# KiCad board Inkplate 6 SS_panel.kicad_pcb (continued)
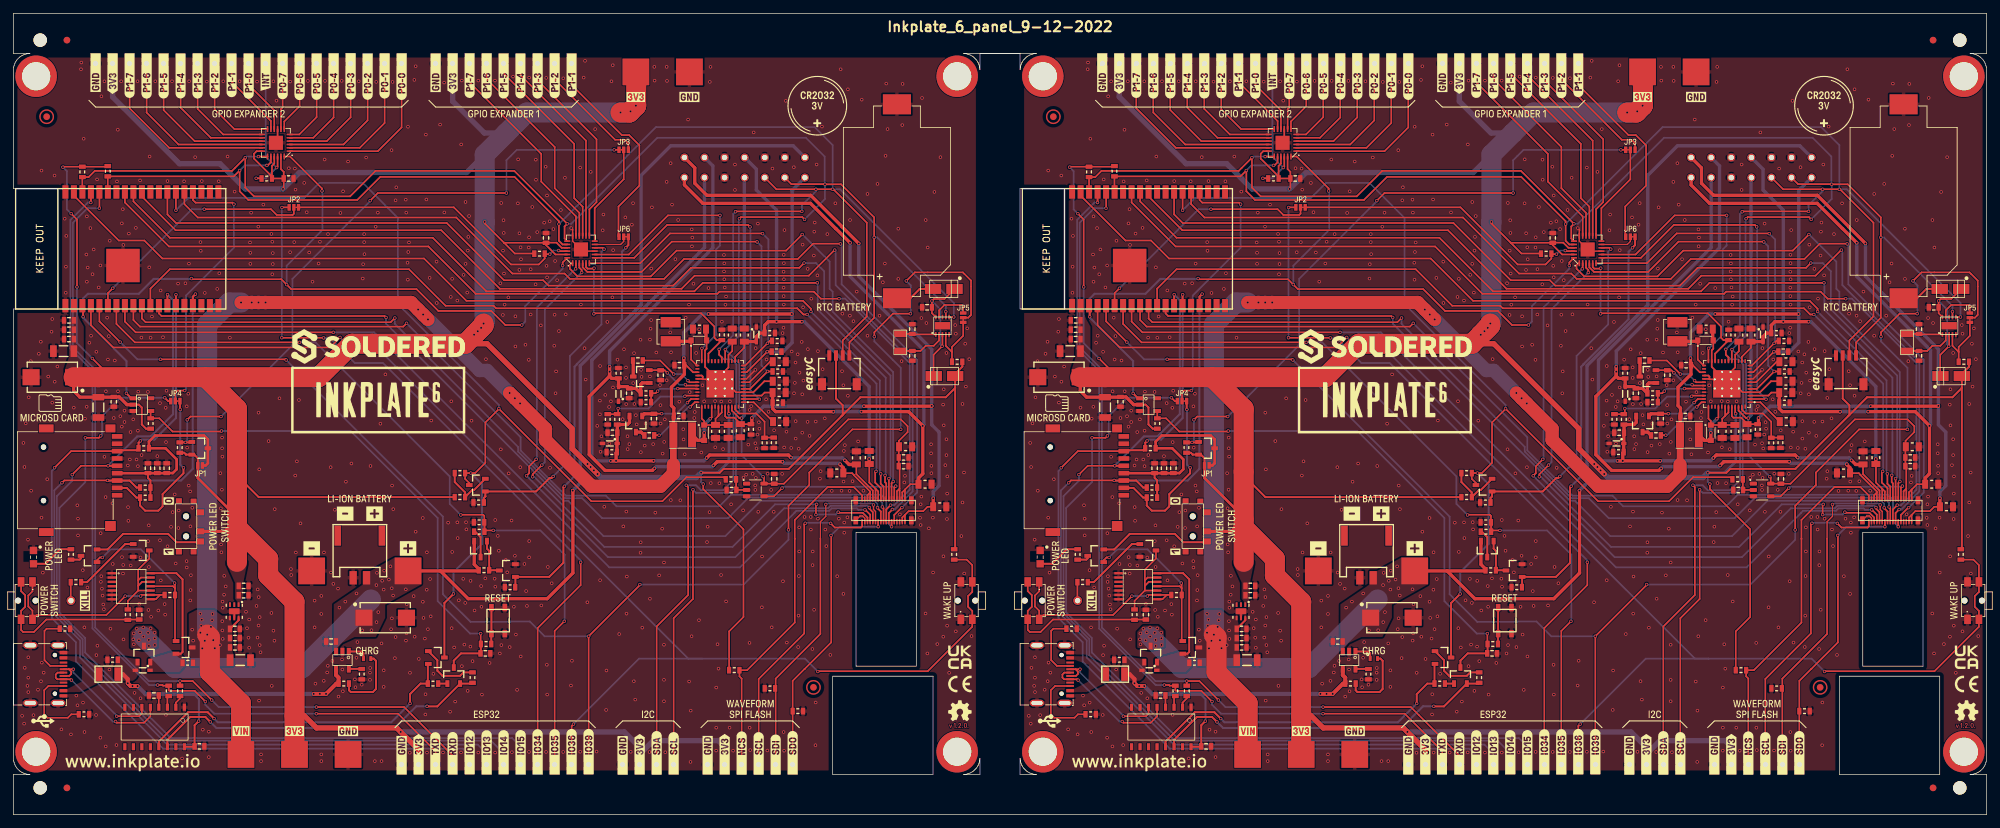
[diagram p0: board, top side]
## Routing (per net, layer and track width the routed paths; a pad name or vN(x,y) marks a point on that pad's centre or on a via; arc(x,y) is an arc through that point) (continued)
Board_1-GPIO15: length 125.9
  Top w0.254: v1(173.01,62.33) 173.51,61.83 JP4#2.3 ; v1(163.45,56.63) 163.16,56.34 v1(161.15,56.34)
  Bottom w0.254: v1(161.15,56.34) 161.15,49.73 157.27,45.85 157.27,30.25 161.12,26.4 161.12,24.25 173.92,11.45 224.92,11.45 226.18,10.19 K29.1 ; v1(163.45,56.63) 163.64,56.82 163.64,59.58 166.39,62.33 v1(173.01,62.33)
Board_1-GPIO_0: length 161.1
  Top w0.254: v1(174.68,90.36) U12.25 ; R50.1 256.52,50.45 250.95,50.45 247.36,46.86 236.75,46.86 222.93,60.68 v1(222.93,60.71) 222.93,60.65 220.91,58.63 220.91,52.6 219.38,51.07 R28#2.1 217.89,50.21 218.51,49.58 Q9#2.3
  Top w0.3: v1(216.15,33) 214.79,31.64 Q7#2.3
  Bottom w0.254: v1(222.93,60.71) 222.93,61.25 207.84,76.34 207.84,89.21 202.6,94.45 196.1,94.45 193.85,92.2 176.52,92.2 v1(174.68,90.36)
  Bottom w0.3: v1(216.15,33) 216.15,36.23 220.41,40.49 220.41,49.39 v1(218.73,51.07)
Board_1-GPIO_0_MOSFET: length 51.4
  Top w0.254: U8.10 238.45,84.75 v1(238.65,84.55)
  Top w0.3: v1(231.04,50.57) 230.81,50.34 230.51,50.34 228.49,48.32 Q9#2.1 220.91,47.6 220.92,47.59 220.69,47.36 R29.2
  Bottom w0.254: v1(238.65,84.55) 238.26,84.16 238.26,73.3 233.54,68.58 233.54,53.07 v1(231.04,50.57)
Board_1-GPIO_36: length 202.2
  Top w0.254: v1(199.2,71.35) 197.7,69.85 165.3,69.85 161.98,73.17 U12.4 ; v1(270.58,21.4) 270.63,21.45 287.01,21.45 293.65,28.09 SW3.2 293.65,30.45 293.03,31.08 293.03,32.68 293.65,33.3 SW3.2 293.65,37.3 292.83,38.13 R31#2.1 ; K28.1 233.8,13.25 v1(234.08,13.53)
  Bottom w0.254: v1(270.58,21.4) 268.66,23.32 253.28,23.32 ; 253.28,23.32 243.87,23.32 v1(234.08,13.53) ; 253.28,23.32 251.23,23.32 204.1,70.45 200.1,70.45 v1(199.2,71.35)
Board_1-GPIO_39: length 229.6
  Top w0.254: JP5#2.2 293.05,74.3 293.48,74.73 293.48,79.85 292.25,81.08 285.08,81.08 v1(283.8,79.8) ; v1(244,34.4) 244,34.33 v1(236.34,26.67) K27.1 ; v1(166.35,70.65) 163.25,73.75 U12.5 ; v1(279.03,71.48) 279.03,72.13 281.8,74.9 v1(284.43,74.9) ; v1(266.2,42.58) 266.2,46.18 269.3,49.28 269.3,51.15 275.75,57.6 v1(282.98,57.6) ; v1(191.15,67.98) 191.05,68.08 v1(172.38,68.08)
  Bottom w0.254: v1(283.8,79.8) 284.48,79.13 284.48,74.95 v1(284.43,74.9) ; v1(166.35,70.65) 168.93,68.08 v1(172.38,68.08) ; v1(266.2,42.58) 266.2,41.1 259.5,34.4 v1(244,34.4) ; v1(282.98,57.6) 282.98,66.8 279.03,70.75 v1(279.03,71.48) ; v1(191.15,67.98) 214.58,44.55 214.58,32.95 218.7,28.83 224.63,28.83 224.68,28.88 227.55,28.88 229.76,26.67 v1(236.34,26.67)
Board_1-I2C_SCL: length 305.3
  Top w0.254: U12.36 160.7,93.11 R1#2.1 161.64,95.33 162.56,96.25 183.06,96.25 v1(185.04,98.23) 185.04,93.76 186.35,92.45 200.7,92.45 204.5,96.25 225.24,96.25 v1(233.15,88.34) 232.75,87.94 232.75,86.15 U8.19 ; U1#2.17 256.74,69.52 v1(256.76,69.54) ; K8#2.1 275.3,70.6 279,74.3 279,89.3 274.05,94.25 v1(271.65,94.25) 271.63,94.27 266.63,94.27 K1.6 ; v1(187.01,98.39) 187.02,98.4 U9#2.19 ; v1(251.93,48.58) 251.93,32.25 249.04,29.36 K5.1 ; v1(268.6,89) 268.26,89.34 259.11,89.34 v1(258.87,89.1) ; v1(289.7,75.2) U10.7
  Bottom w0.254: v1(279,86.3) 279.45,86.3 289.7,76.05 v1(289.7,75.2) ; v1(251.93,48.58) 252.4,48.11 257.35,48.11 258.35,49.11 258.35,59.81 258.87,60.33 258.87,67.43 v1(256.76,69.54) 258.78,71.56 258.78,89.01 v1(258.87,89.1) ; v1(233.15,88.34) 233.74,88.34 246.6,101.2 268.8,101.2 271.6,98.4 271.6,94.3 v1(271.65,94.25) 271.65,92.05 v1(268.6,89) ; v1(187.01,98.39) 185.2,98.39 v1(185.04,98.23)
Board_1-I2C_SDA: length 321.2
  Top w0.254: v1(255.84,69.57) 255.84,68.76 256.24,68.37 U1#2.18 ; v1(268.2,90.2) 258.34,90.2 v1(258.28,90.14) ; v1(250.93,49.25) 251.21,48.97 251.21,32.84 246.5,28.13 K9.1 ; U12.33 164.5,93.12 R4.1 183.33,95.43 v1(184.2,96.3) 184.2,93.2 185.5,91.9 201.78,91.9 205.23,95.35 225.27,95.35 231.9,88.72 v1(231.9,88.3) 231.9,85.8 232.45,85.25 U8.20 ; K8#2.2 274.3,70.9 277.9,74.5 277.9,88.5 272.9,93.5 v1(272.8,93.5) v1(270.3,93.5) 264.4,93.5 K1.5 ; U9#2.20 188.87,97.54 188.4,97.07 v1(188.27,97.07) ; v1(290.9,74.4) U10.6
  Bottom w0.254: v1(270.3,93.5) 270.3,93.22 268.2,91.12 v1(268.2,90.2) ; v1(231.9,88.3) 246.4,102.8 270.1,102.8 272.8,100.1 v1(272.8,93.5) 273.9,93.5 290.9,76.5 v1(290.9,74.4) ; v1(250.93,49.25) 252.38,49.25 253.12,48.51 256.47,48.51 257.97,50.01 257.97,59.97 258.41,60.4 258.41,67.36 257.67,68.09 256.53,68.09 255.84,68.78 v1(255.84,69.57) 257.94,71.67 257.94,89.8 v1(258.28,90.14) ; v1(188.27,97.07) 184.97,97.07 v1(184.2,96.3)
Board_1-INT: length 54.2
  Top w0.254: v1(260.45,87.88) 260.16,88.17 248.07,88.17 243.15,83.25 U8.7 ; U1#2.2 261.8,62.15 v1(261.85,62.1)
  Bottom w0.254: v1(260.45,87.88) 260.52,87.81 260.52,63.43 v1(261.85,62.1)
Board_1-IO34: length 36.2
  Top w0.254: U12.6 164.52,77.97 v1(165.25,78.7) ; v1(178.92,90.52) 188.88,90.52 189.74,89.66 192.12,89.66 192.3,89.84 JP2#2.2
  Bottom w0.254: v1(165.25,78.7) 177.07,90.52 v1(178.92,90.52)
Board_1-MANUAL_RST: length 79.6
  Top w0.254: v1(181.5,57.36) 181.42,57.28 174.18,57.28 172.21,59.26 R46.1 170.9,59.27 U6#2.4 ; R30#2.2 220.21,25.55 v1(220.21,27.07)
  Top w0.3: Q5.3 216.19,23.02 217.28,24.11 C28#2.2 220.25,24.17 R30#2.2
  Bottom w0.254: v1(181.5,57.36) 200.78,57.36 213.79,44.35 213.79,31.92 218.64,27.07 v1(220.21,27.07)
Board_1-Net-(C16-Pad1): length 2.4
  Top w0.5: C16.1 243,67.87 D6#2.3
Board_1-Net-(C17-Pad2): length 1.5
  Top w0.5: C17#2.2 244.17,57.2 D9#2.3
Board_1-Net-(C26-Pad2): length 1.8
  Top w0.254: U5.4 172.12,16.07 C26.2
Board_1-Net-(C27-Pad2): length 26.2
  Top w0.254: C27.2 155.32,29.17 153.45,27.3 151.86,27.3 151.55,27.61 SW1#2.2 151.55,30.46 152.16,31.07 152.16,32.81 151.55,33.42 SW1#2.2
Board_1-Net-(C35-Pad2): length 3
  Top w0.254: U7#2.2 259.94,48.55 258.65,48.55 258.38,48.82 R50.2
Board_1-Net-(D7-Pad1): length 10.5
  Top w0.3: R9#2.2 200.54,18.6 200.81,18.32 204.1,18.32 204.57,18.79 204.57,23 204.24,23.33 D7.1
Board_1-Net-(D7-Pad2): length 3.1
  Top w0.3: D7.2 202.7,24.13 202.44,24.39 U2.1
Board_1-Net-(D8-Pad1): length 6.5
  Top w0.3: R14.2 157.38,39.68 155.2,37.5 D8.1
Board_1-Net-(D11-Pad1): length 6
  Top w0.3: D11.1 285.8,78.6 284.4,77.2 K14.+
Board_1-Net-(JP2-Pad3): length 112.2
  Top w0.254: JP2#2.3 190.55,90.8 v1(190.53,90.78) ; v1(235.15,37.73) 235.15,34.33 228.72,27.9 K17#2.1 ; v1(196.75,71.28) 196.73,71.3 v1(190.5,71.3)
  Bottom w0.254: v1(190.53,90.78) 190.5,90.75 v1(190.5,71.3) ; v1(235.15,37.73) 235.15,38 205.63,67.53 201.4,67.53 197.68,71.25 196.78,71.25 v1(196.75,71.28)
Board_1-Net-(JP3-Pad2): length 15.4
  Top w0.254: U8.12 237.25,90.67 241.58,95 JP3#2.2
Board_1-Net-(JP3-Pad3): length 18.3
  Top w0.254: K33.1 231.26,109.94 240.3,100.9 241.73,100.9 242.28,100.35 JP3#2.3
Board_1-Net-(JP4-Pad1): length 26.4
  Top w0.3: v1(175.33,60.58) 175.29,60.61 JP4#2.1 ; K13.2 167.34,48.85 168.79,47.4 R47#2.1 169.33,46.21 170.08,45.45 172.05,45.45 172.69,46.09 172.69,47.92 175.81,51.04 v1(175.81,51.86)
  Bottom w0.3: v1(175.33,60.58) 175.33,60.57 175.33,52.34 v1(175.81,51.86)
Board_1-Net-(JP5-Pad1): length 9.6
  Top w0.254: 290.63,69.18 289.7,70.1 U10.4 ; 290.63,69.18 R33.1 ; 290.63,69.18 290.63,69.93 292.3,71.6 JP5#2.1
Board_1-Net-(JP6-Pad2): length 5.2
  Top w0.2: U8.11 241.13,85.25 241.58,85.71 JP6#2.2
Board_1-Net-(JP6-Pad3): length 32.1
  Top w0.254: JP6#2.3 240.8,86.48 240.8,90.92 243.93,94.05 243.93,100.08 242.4,101.6 241.3,101.6 233.8,109.1 K34#2.1
Board_1-Net-(K3-PadA5): length 10
  Top w0.254: R13.1 155.37,27.8 155.04,27.47 155.04,23.1 155.9,22.24 K3.A5
Board_1-Net-(K3-PadB5): length 12.4
  Top w0.254: K3.B5 155.64,19.24 155,18.6 155,14.97 155.49,14.48 158.53,14.48 159.05,15 R12.1
Board_1-Net-(K4-Pad1): length 2.8
  Top w0.254: R21.2 158.97,32.04 K4#2.1
Board_1-Net-(K10-Pad1): length 45
  Top w0.254: v1(279.6,43.05) K15#2.22 ; v1(272.55,41.75) 272.59,41.72 272.59,25.76 268.62,21.79 268.61,21.79 266.82,20 K10#2.1
  Bottom w0.254: v1(279.6,43.05) 273.85,43.05 v1(272.55,41.75)
Board_1-Net-(K11-Pad1): length 51.9
  Top w0.2: 270.97,41.27 270.97,43.79 271.78,44.6 v1(271.78,46.38) ; v1(278.9,46.3) 278.9,45.63 279.2,45.33 K15#2.24
  Top w0.254: 270.97,41.27 270.97,27.02 264.28,20.33 K11.1
  Bottom w0.2: v1(271.78,46.38) 271.93,46.53 278.68,46.53 v1(278.9,46.3)
Board_1-Net-(K12-Pad1): length 53.9
  Top w0.254: K12.1 259.2,20.35 258.88,20.68 R36.2 260.03,21.6 267.14,28.72 267.14,41.24 267.14,41.24 267.14,44.06 272.06,48.98 275.95,48.98 277.2,47.73 K15#2.33
Board_1-Net-(K15-Pad34): length 48.5
  Top w0.254: K15#2.34 277.2,43.1 277.03,42.93 273.12,42.93 v1(272.5,43.55) ; v1(268.71,43.56) 268.55,43.4 268.55,27.09 261.74,20.28 K16.1
  Bottom w0.254: v1(268.71,43.56) 268.79,43.64 272.42,43.64 272.5,43.56 v1(272.5,43.55)
Board_1-Net-(K35-Pad1): length 27.8
  Top w0.254: K35#2.1 208.4,102.75 204.85,99.2 U9#2.1
Board_1-Net-(K36-Pad1): length 24.6
  Top w0.254: U9#2.2 202.15,99.7 205.86,103.41 K36#2.1
Board_1-Net-(K37-Pad1): length 21.6
  Top w0.254: U9#2.3 199.72,100.2 203.32,103.8 K37.1
Board_1-Net-(K38-Pad1): length 18.6
  Top w0.254: K38#2.1 200.78,104.26 197.22,100.7 U9#2.4
Board_1-Net-(K39-Pad1): length 15.9
  Top w0.254: U9#2.5 195.21,101.2 198.24,104.23 K39.1
Board_1-Net-(K40-Pad1): length 13.1
  Top w0.254: U9#2.6 193.11,101.7 195.7,104.29 K40.1
Board_1-Net-(K41-Pad1): length 10.7
  Top w0.254: U9#2.7 190.87,103.64 193.16,105.93 K41.1
Board_1-Net-(K42-Pad1): length 9.9
  Top w0.254: K42.1 190.62,105.73 190.37,105.48 U9#2.8
Board_1-Net-(K43-Pad1): length 11.4
  Top w0.254: U9#2.10 189.37,105.3 185.56,109.11 K43#2.1
Board_1-Net-(K44-Pad1): length 12.2
  Top w0.254: K44#2.1 183,109.58 188.87,103.71 U9#2.11
Board_1-Net-(K45-Pad1): length 16
  Top w0.254: K45.1 180.46,105.46 183.42,102.5 U9#2.12
Board_1-Net-(K46-Pad1): length 18
  Top w0.254: K46#2.1 177.92,105.52 181.74,101.7 U9#2.13
Board_1-Net-(K47-Pad1): length 20.6
  Top w0.254: K47#2.1 175.38,105.71 179.89,101.2 U9#2.14
Board_1-Net-(K48-Pad1): length 23.6
  Top w0.254: U9#2.15 177.48,100.7 172.84,105.34 K48.1
Board_1-Net-(K49-Pad1): length 26.6
  Top w0.254: K49#2.1 170.3,104.97 175.07,100.2 U9#2.16
Board_1-Net-(K50-Pad1): length 28.9
  Top w0.254: U9#2.17 173.67,99.7 167.76,105.61 K50.1
Board_1-Net-(K53-Pad1): length 22.5
  Top w0.254: R51.2 187.45,95.14 v1(186.67,95.14) ; U9#2.22 189.87,96.9 v1(189.72,96.75)
  Bottom w0.254: v1(186.67,95.14) 188.11,95.14 v1(189.72,96.75) 188.1,98.37 K53.1
Board_1-Net-(Q1-Pad1): length 6
  Top w0.3: Q1.1 221.15,39.77 221.49,39.44 R11#2.1 222.96,36.54 Q3#2.3
Board_1-Net-(Q1-Pad3): length 4.3
  Top w0.3: Q1.3 220.2,41.5 219.4,42.3 R16.2 219.25,42.28
Board_1-Net-(Q2-Pad2): length 16.8
  Top w0.3: Q2#2.2 164.46,39.65 166.79,41.98 173.52,41.98 174.78,40.72 178.17,40.72
Board_1-Net-(Q2-Pad3): length 2
  Top w0.3: Q2#2.3 160.5,38.32 160.31,38.13 R14.1
Board_1-Net-(Q5-Pad1): length 1.4
  Top w0.3: Q5.1 R19.1
Board_1-Net-(Q6-Pad1): length 10.1
  Top w0.3: Q6.1 167.1,40.45 161.41,34.76 R21.1
Board_1-Net-(Q6-Pad3): length 16.1
  Top w0.254: R26#2.2 167.5,31.96 169.04,33.5 ; U4.12 169.63,34.8 169.04,34.21 ; 169.04,34.21 169.04,33.5 ; 169.04,34.21 169.04,35.03 ; 169.04,35.03 169.04,36.63 170.7,38.29 Q6.3 ; 169.04,35.03 169.46,35.45 U4.13 ; 169.04,33.5 U4.10
Board_1-Net-(Q7-Pad1): length 9.3
  Top w0.3: Q7#2.1 213.74,23.09 213.74,21.52 214.5,20.76 217.14,20.76 217.65,21.27 R22#2.1
Board_1-Net-(Q9-Pad2): length 8.4
  Top w0.3: R28#2.2 216.34,49.73 217.89,48.18 R27.1 218.97,48.55 219.24,48.55 Q9#2.2
Board_1-Net-(R10-Pad1): length 1.9
  Top w0.3: R10#2.1 202.44,21.79 U2.5
Board_1-Net-(R25-Pad1): length 29.1
  Top w0.254: 172.32,32.85 171.67,32.2 U4.8 ; 172.32,32.85 U4.9 169.58,32.85 v1(169.41,32.68) ; 172.32,32.85 172.99,32.85 R25#2.1 ; SW1#2.1 153.25,33.39 152.62,32.76 152.62,31.12 153.25,30.49 SW1#2.1 153.9,29.85 164.29,29.85 v1(167.11,32.67)
  Bottom w0.254: v1(169.41,32.68) 167.56,32.68 167.55,32.67 v1(167.11,32.67)
Board_1-Net-(R30-Pad1): length 5.5
  Top w0.3: SW2#2.2 SW2#2.2 221.8,27.04 R30#2.1
Board_1-PWR_GOOD: length 44.1
  Top w0.254: v1(255.96,89.6) 248.2,89.6 242.35,83.75 U8.8 ; U1#2.24 253.24,69.7 v1(253.26,69.72)
  Bottom w0.254: v1(255.96,89.6) 255.96,85.09 255.38,84.51 255.38,71.76 253.34,69.72 v1(253.26,69.72)
Board_1-PWRUP: length 34.5
  Top w0.254: U8.5 235.95,81.87 236.19,81.63 237.08,81.63 v1(237.15,81.7) ; U1#2.22 254.24,68.93 256.25,70.94 R7.1 255.49,70.96 255.13,71.31 255.13,72.98 253.15,74.96 237.2,74.96 v1(237.12,74.88)
  Bottom w0.254: v1(237.12,74.88) 237.12,81.67 v1(237.15,81.7)
Board_1-RST: length 126.6
  Top w0.254: v1(232.46,82.11) 232.46,82.56 U8.24 ; v1(177,80.15) 177.1,80.05 190.43,80.05 v1(191.23,79.25) 191.9,78.58 210.63,78.58 213.89,75.31 221.79,75.31 223.9,73.2 v1(226.35,73.2) ; U9#2.24 191.73,98.4 196.5,93.63 v1(196.5,93.25)
  Top w0.3: U6#2.1 168.02,62.25 v1(167.29,62.98) ; U12.3 160.81,76 v1(160.81,74.44)
  Bottom w0.254: v1(191.23,79.25) 191.23,82.08 196.58,87.43 196.58,93.18 v1(196.5,93.25) ; v1(226.35,73.2) 226.88,73.73 226.88,76.04 232.46,81.63 v1(232.46,82.11)
  Bottom w0.3: v1(177,80.15) 176.95,80.1 171.35,80.1 169.13,77.88 161.53,77.88 160.8,77.15 160.8,74.45 v1(160.81,74.44) 160.81,74.3 167.29,67.82 v1(167.29,62.98)
Board_1-RXD: length 132.6
  Top w0.254: v1(195.67,16.08) 208.78,16.08 216.02,8.84 K21#2.1 ; R24.2 v1(175.3,19.97) 177.19,19.97 v1(180.03,17.13) ; v1(163.24,90.67) 163.26,90.69 163.26,93.09 U12.34
  Bottom w0.254: v1(180.03,17.13) 181.08,16.08 v1(195.67,16.08) ; v1(163.24,90.67) 161.47,90.67 159.3,88.5 159.3,69.86 162.62,66.54 162.62,27.96 170.61,19.97 v1(175.3,19.97)
Board_1-SD_ENABLE: length 95.3
  Top w0.254: v1(240.16,99.39) 240.17,99.4 JP3#2.1 ; v1(224.06,92.94) 204.84,92.94 v1(203.7,91.8) ; v1(181.42,59.52) 176.86,59.52 v1(176.37,59.03)
  Top w0.3: R44.2 v1(176.1,55.66) 176.99,55.66 Q10.1
  Bottom w0.254: v1(176.1,55.66) 176.37,55.93 v1(176.37,59.03) ; v1(240.16,99.39) 225.61,99.39 224.06,97.84 v1(224.06,92.94) ; v1(181.42,59.52) 192.09,70.19 192.09,80.11 203.7,91.72 v1(203.7,91.8)
Board_1-SPI_CS: length 41.3
  Top w0.254: v1(183.35,91.28) 183.13,91.5 177.62,91.5 177.22,91.9 U12.23 ; JP4#2.2 174.59,63.09 174.9,63.4 v1(176,63.4)
  Bottom w0.254: v1(183.35,91.28) 183.34,91.27 183.34,84.76 176.2,77.62 176.2,63.6 v1(176,63.4)
Board_1-SPI_MISO: length 138.4
  Top w0.254: K13.7 159.03,54.35 v1(156.55,51.87)
  Top w0.3: U12.14 174.68,77.73 v1(174.69,77.74) ; v1(169.38,55.88) 169.1,55.6 R49#2.1 168.81,54.48 166.03,54.48 K13.7
  Bottom w0.254: K25.1 218.56,8.84 217.54,9.86 172.77,9.86 159.75,22.88 159.75,25.77 156.13,29.39 156.13,51.35 156.55,51.77 v1(156.55,51.87)
  Bottom w0.3: v1(169.38,55.88) 169.58,56.08 171.47,56.08 174.69,59.3 v1(174.69,77.74)
Board_1-SPI_MOSI: length 150.4
  Top w0.254: v1(164.46,49.97) 158.01,49.97 v1(157.66,49.62)
  Top w0.3: v1(164.46,49.97) 164.48,49.95 K13.3 167.75,49.95 168.8,48.9 R48.1 ; U12.16 177.22,77.45 v1(177.6,77.83)
  Bottom w0.254: K26.1 221.1,9.14 219.77,10.47 173.37,10.47 160.36,23.48 160.36,26.05 156.51,29.9 156.51,48.47 v1(157.66,49.62)
  Bottom w0.3: v1(164.46,49.97) 164.48,49.95 175.44,49.95 177.19,51.7 177.19,77.42 v1(177.6,77.83)
Board_1-SPI_SCK: length 140.3
  Top w0.254: v1(164.54,52.15) 164.53,52.16 160.51,52.16 v1(159.19,50.84)
  Top w0.3: v1(164.54,52.15) K13.5 ; U12.13 173.41,77.74 v1(173.43,77.75)
  Bottom w0.254: v1(159.19,50.84) 159.19,49.92 156.89,47.62 156.89,30.09 160.74,26.24 160.74,23.82 173.5,11.06 221.74,11.06 223.64,9.16 K22.1
  Bottom w0.3: v1(164.54,52.15) 164.54,52.19 168.9,56.55 170.93,56.55 174.26,59.88 174.26,76.92 v1(173.43,77.75)
Board_1-SW_IN: length 17.1
  Top w0.3: Q8.2 175.4,24.05 175.68,24.33 175.68,35.18 174.75,36.1 U4.14
Board_1-SW_OUT_D: length 27.2
  Top w0.254: Q8.1 174.55,26.11 R25#2.2 174.55,33.86 ; v1(174.48,34.62) 174.55,34.56 174.55,33.86 ; Q2#2.1 162.9,38.03 163.32,38.45 v1(163.7,38.45) ; 174.55,33.86 174.25,34.15 U4.11
  Bottom w0.254: v1(163.7,38.45) 164.91,39.66 169.44,39.66 v1(174.48,34.62)
